# Altium PCB Dashcam_V2.0B.PcbDoc (part 2 of 8) (continued)
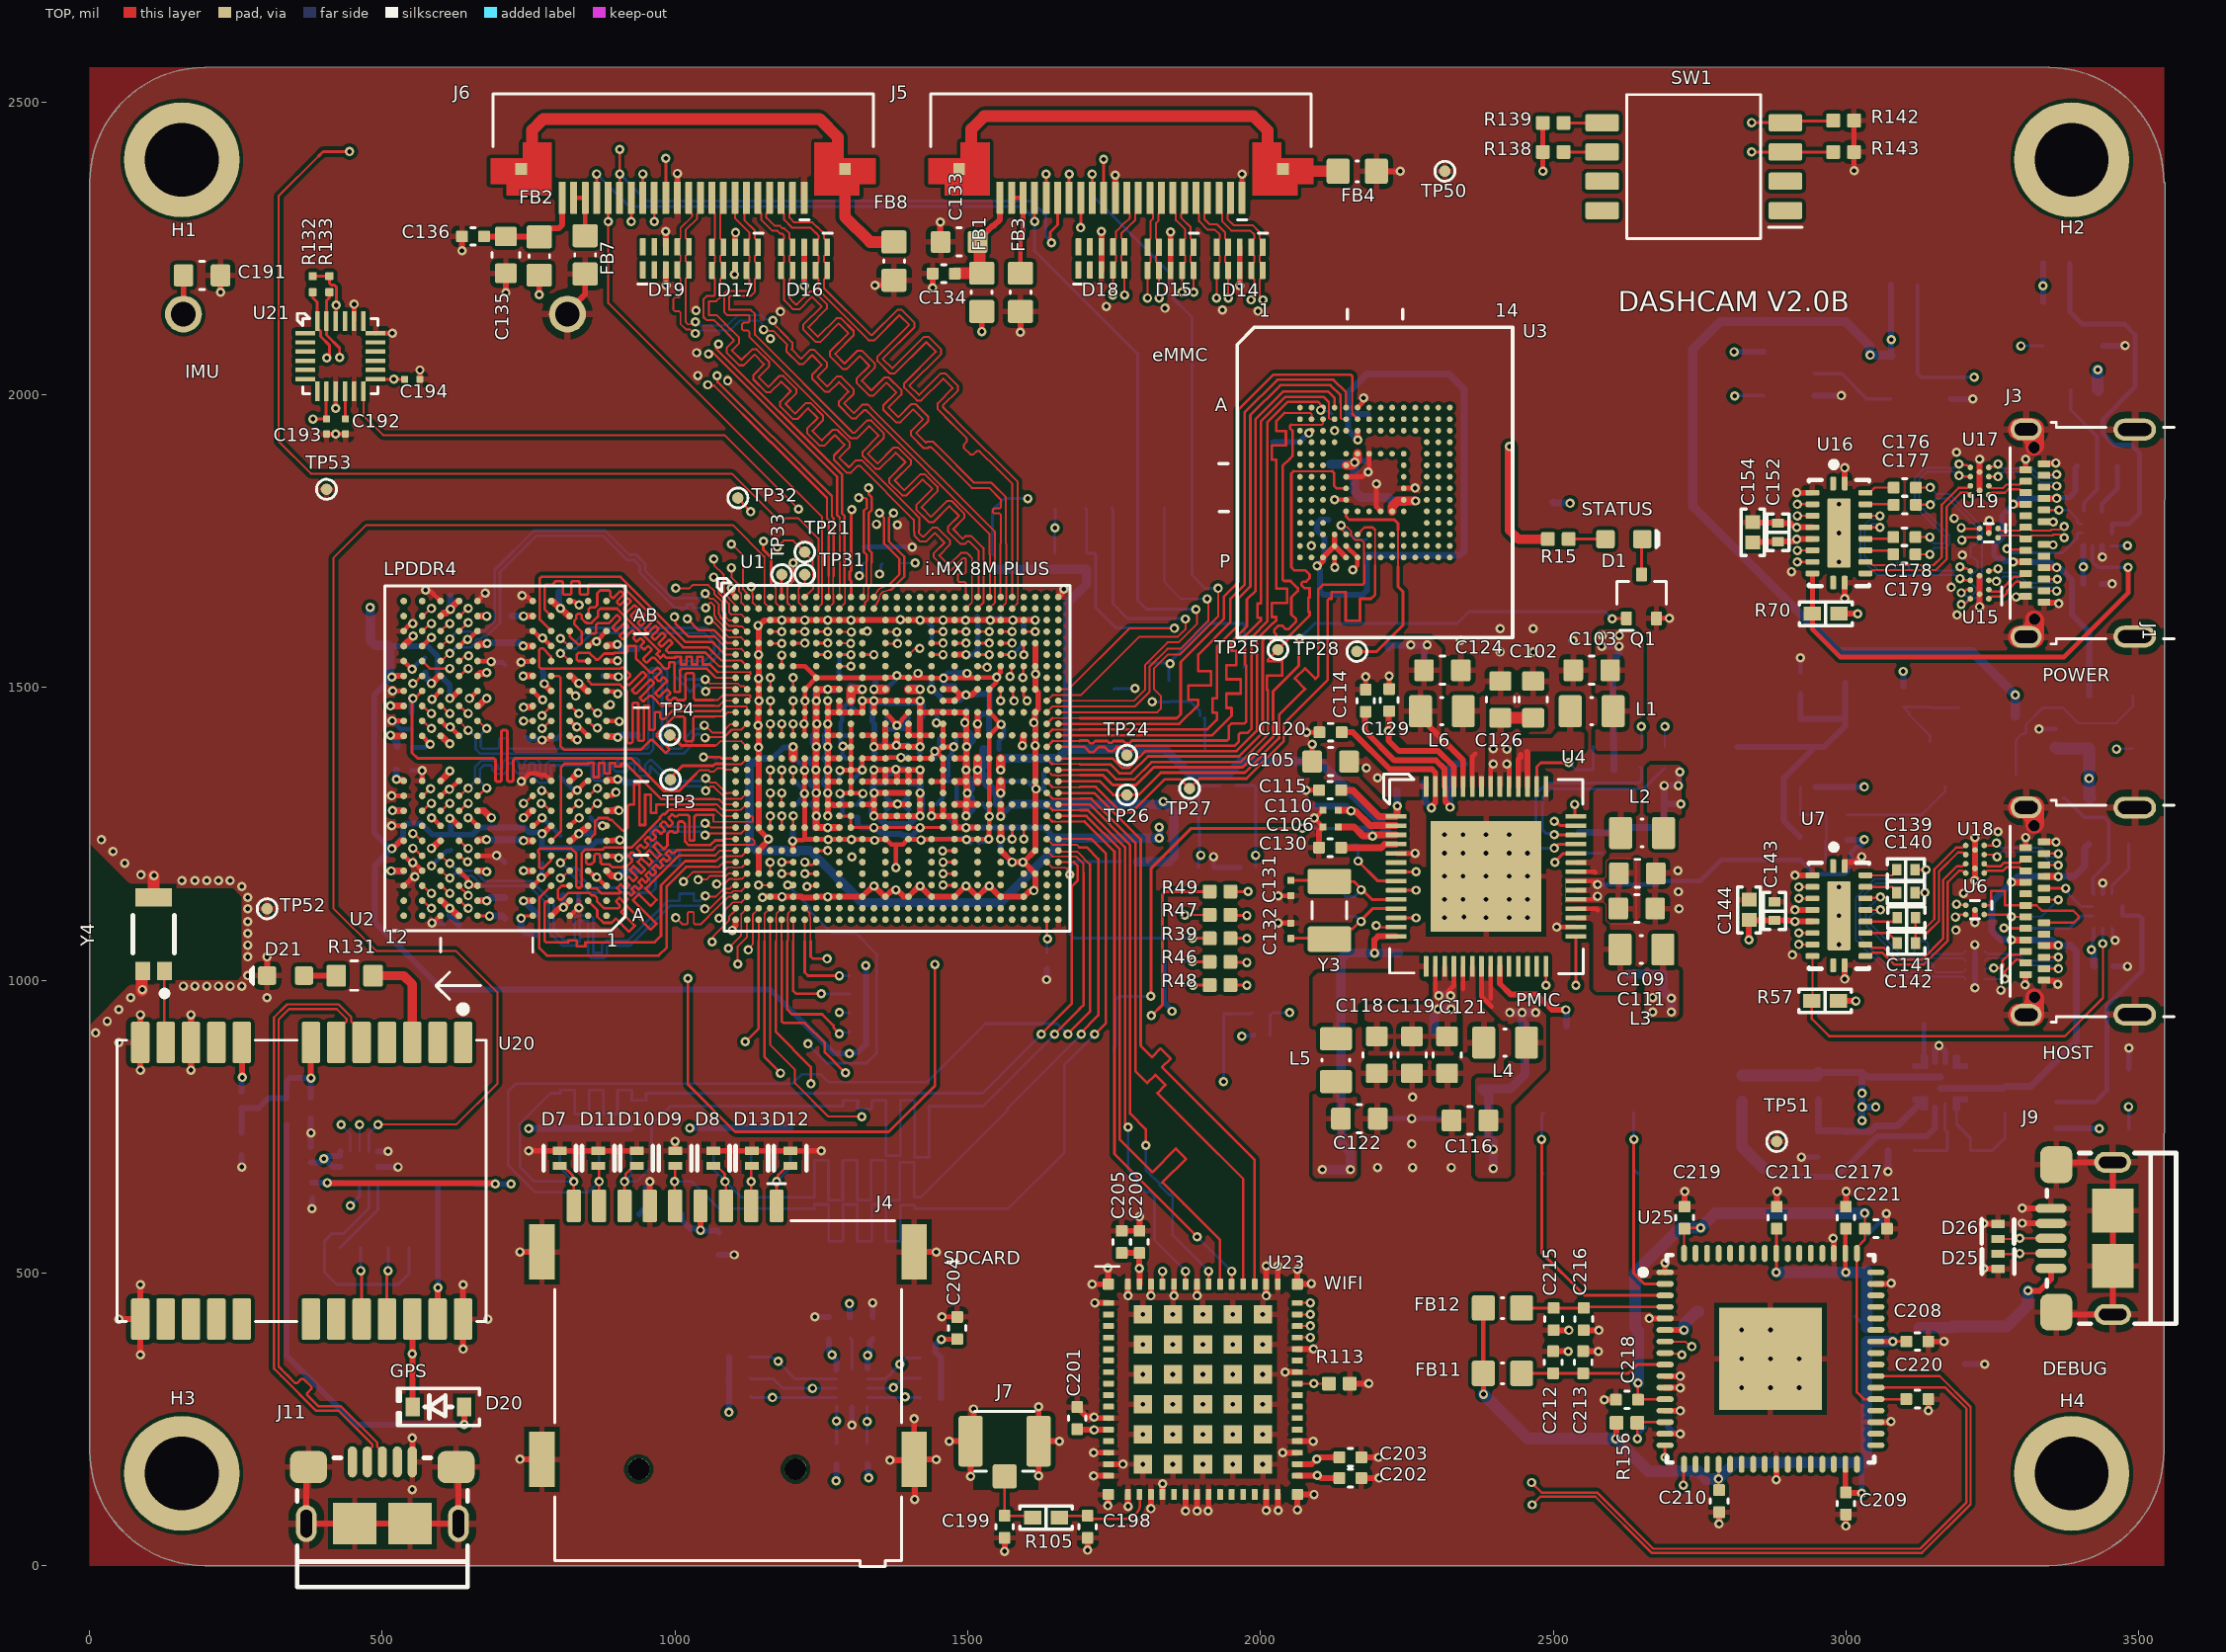
[diagram p0: TOP view]
## Part data (continued)
D7 D8 D9 D10 D11 D12 D13 D25 D26: library part CMP-08607-000062-1, "TVS DIODE 7V 10V 0402", Breakdown Voltage=9.8V, Capacitance=0.1pF, Clamping Voltage=10V, Manufacturer=Littelfuse, Package=SESD0402, Peak Pulse Current=2A, Reverse Standoff Voltage=7V, Temperature="-55°C to +125°C", Temperature Range High=+125°C, Temperature Range Low=-55°C, Automotive=Yes, Automotive Grade="Grade 1", Category=Diode, ComponentLink2Description=Datasheet, ComponentLink2URL=https://www.littelfuse.com/~/media/electronics/datasheets/tvs_diode_arrays/littelfuse_tvs_diode_array_sesd_ultra_low_capacitance_discrete_tvs_datasheet.pdf.pdf, Device Class L1="Circuit Protection", Device Class L2="TVS Diodes", Device Class L3=unset, Digikey Description="TVS DIODE 7V 10V 0402", Direction=Bidirectional, Height=0.43mm, Lead Free=Yes, Manufacturer Part Number=RF2945-000, Number Of Channels=1, Octopart=https://octopart.com/rf2945-000-littelfuse-56516902, RoHS=TRUE, Standoff Height=0mm
D14 D15 D16 D17 D18 D19: library part DIO_TVS_4CH_4V_IP4292CZ10-TBR,115, "IP4292CZ10 Series 4 Channel 4 V 0.55 pF ESD Protected TVS Diode - DFN2510A-10", Manufacturer=Nexperia, Supplier Part Number 1=1727-1219-1-ND, Category="ESD and Circuit Protection ICs", ComponentLink1Description=https://assets.nexperia.com/documents/data-sheet/IP4292CZ10-TBR.pdf?src-supplier=Digikey, ComponentLink1URL=https://assets.nexperia.com/documents/data-sheet/IP4292CZ10-TBR.pdf?src-supplier=Digikey, Manufacturer Part Number=IP4292CZ10-TBR,115, Pricing 1="1=0.51, 10=0.398, 100=0.2386, 500=0.22096, 1000=0.15025, 2000=0.13833 (USD)", RoHS=Yes, RoHS Compliant=Yes, Stock 1=24808, Supplier 1=Digikey
D20: "DIODE SCHOTTKY 10V 100MA USC", Capacitance @ Vr, F="40pF @ 0V, 1MHz", Current - Average Rectified (Io)=100mA, Current - Reverse Leakage @ Vr="20 µA @ 10 V", Manufacturer="Toshiba Semiconductor and Storage", Operating Temperature - Junction="125°C (Max)", Package / Case="SC-76, SOD-323", Supplier Device Package=USC, Supplier Part Number 1=1SS367H3FCT-ND, Voltage - DC Reverse (Vr) (Max)="10 V", Voltage - Forward (Vf) (Max) @ If="500 mV @ 100 mA", ComponentLink1Description=Datasheet, ComponentLink1URL=https://toshiba.semicon-storage.com/info/docget.jsp?did=3342&prodName=1SS367, ComponentLink2Description="DigiKey Link", ComponentLink2URL=https://www.digikey.com/en/products/detail/toshiba-semiconductor-and-storage/1SS367-H3F/4304874, Diode Type=Schottky, lastupdated="6/3/2024 8:20:12 PM", Lifecycle Status=Active, Minimum Order=1, Mounting Type="Surface Mount", Packaging=TapeAndReel, Part Number=1SS367,H3F, Part Status=Active, partid=2994, price=0.02, Series=-, Speed="Small Signal =< 200mA (Io), Any Speed", Supplier 1=DigiKey
D21: library part LED_DIO_BLUE_20mA_0603_ASCKCB00-NS3T4010302, "LED Single Chip Blue 467nm 20mA 2-Pin DFN T/R", Case/Packcage=0603, Manufacturer=Broadcom, Supplier Part Number 1=516-ASCKCB00-NS3T4010302CT-ND, Test Current=20mA, Category=LEDs, Manufacturer Part Number=ASCKCB00-NS3T4010302, Pricing 1="1=0.53, 10=0.327, 100=0.1882, 1000=0.14726, 2000=0.13499 (USD)", RoHS=No, Stock 1=59526, Supplier 1=Digikey
FB1 FB2 FB3 FB4 FB7 FB8 FB9 FB11 FB12: library part IND_FERRITA_1K_450mA_BLM18AG102SN1D, "Ferrite Beads Multi-Layer 1KOhm 25% 100MHz 450mA 500mOhm DCR 0603 T/R", Case Code (Imperial)=0603, Case Code (Metric)=1608, Current Rating=400mA, DC Resistance (DCR)=500mR, DC Resistance-Max=700mR, Frequency=100MHz, Manufacturer=Murata, Max Operating Temperature=125°C, Min Operating Temperature=-55°C, Package Quantity=1, RMS Current (Irms)=450mA, Supplier Part Number 1=490-1015-1-ND, Tolerance=25%, Case/Package=0603, Category="Ferrite Beads and Chips", ComponentLink1Description=https://datasheet.ciiva.com/1012/l0110s0100blm18a-1012016.pdf?src-supplier=Digikey, ComponentLink1URL=https://datasheet.ciiva.com/1012/l0110s0100blm18a-1012016.pdf?src-supplier=Digikey, ComponentLink2Description=https://datasheet.ciiva.com/5709/1756147-5709056.pdf?src-supplier=Farnell, ComponentLink2URL=https://datasheet.ciiva.com/5709/1756147-5709056.pdf?src-supplier=Farnell, ComponentLink3Description=https://datasheet.ciiva.com/11795/0900766b80032ea2-11795437.pdf?src-supplier=Rs, ComponentLink3URL=https://datasheet.ciiva.com/11795/0900766b80032ea2-11795437.pdf?src-supplier=Rs, ComponentLink4Description=https://datasheet.ciiva.com/29347/442253-da-01-en-chip-drossel-0603-1000r-400ma-1-6x0-8mm-29347887.pdf?src-supplier=Conrad, ComponentLink4URL=https://datasheet.ciiva.com/29347/442253-da-01-en-chip-drossel-0603-1000r-400ma-1-6x0-8mm-29347887.pdf?src-supplier=Conrad, ComponentLink5Description=https://datasheet.ciiva.com/41449/001172220-da-01-en-drossel-0603-1000r-1-6x0-8mm-4000st-41449508.pdf?src-supplier=Conrad, ComponentLink5URL=https://datasheet.ciiva.com/41449/001172220-da-01-en-drossel-0603-1000r-1-6x0-8mm-4000st-41449508.pdf?src-supplier=Conrad, ComponentLink6Description=https://datasheet.ciiva.com/1012/l0110s0100blm18a-1012014.pdf?src-supplier=Digikey, ComponentLink6URL=https://datasheet.ciiva.com/1012/l0110s0100blm18a-1012014.pdf?src-supplier=Digikey, ComponentLink7Description=https://datasheet.ciiva.com/1012/l0110s0100blm18a-1012015.pdf?src-supplier=Digikey, ComponentLink7URL=https://datasheet.ciiva.com/1012/l0110s0100blm18a-1012015.pdf?src-supplier=Digikey, ComponentLink8Description=https://datasheet.ciiva.com/16199/l0110s0100blm18a-16199225.pdf?src-supplier=Future+Electronics, ComponentLink8URL=https://datasheet.ciiva.com/16199/l0110s0100blm18a-16199225.pdf?src-supplier=Future+Electronics, ComponentLink9Description=https://datasheet.ciiva.com/8510/l0110s0100blm18a-8510154.pdf?src-supplier=Avnet, ComponentLink9URL=https://datasheet.ciiva.com/8510/l0110s0100blm18a-8510154.pdf?src-supplier=Avnet, ComponentLink10Description=https://datasheet.ciiva.com/1466/1756147-1466919.pdf?src-supplier=Element14, ComponentLink10URL=https://datasheet.ciiva.com/1466/1756147-1466919.pdf?src-supplier=Element14, ComponentLink11Description=https://datasheet.ciiva.com/1466/1756147-1466920.pdf?src-supplier=Element14, ComponentLink11URL=https://datasheet.ciiva.com/1466/1756147-1466920.pdf?src-supplier=Element14, Core Material=Ferrite, DC Current=400mA, Depth=0.8mm, Height=0.8mm, Impedance=1K, Lead Free="Lead Free", Length=1.6mm, Manufacturer Part Number=BLM18AG102SN1D, Material=Steel,Ferrite, Max Current Rating=400mA, Max DC Current=400mA, Military Standard=Not, Number of Circuits=1, Number of Lines=1, Number of Pins=2, Packaging="Tape and Reel", Pricing 1="1=0.1, 10=0.074, 25=0.0676, 50=0.0608, 100=0.0445, 250=0.0324, 500=0.02968, 1000=0.02564 (USD)", Radiation Hardening=No, Reach SVHC Compliant=No, Resistance=500mR, RoHS=Yes, RoHS Compliant=Yes, Series=BLM18A, Series Resistance=500mR, Shielding=Unshielded, Stock 1=632067, Supplier 1=Digikey, Termination=SMD/SMT, Test Frequency=100MHz, Width=0.8mm
H1 H2 H3 H4: library part MECHANICALS_MOUNT_PTH, "Mounting Hole, Plated"
J1 J3: library part CONN_USB_TYPEC_3.2_12401945E212A, "USB3.2 GEN1, Type C, Top mount, CH 1.53mm, Dual Row SMT / Tap/Rl", Manufacturer="Amphenol ICC / FCI", Supplier Part Number 1=664-12401945E212ACT-ND, Category=Connectors, Manufacturer Part Number=12401945E212A, Pricing 1="1=1.63, 10=1.415, 25=1.3544, 50=1.3242, 100=1.2641, 250=1.14372, 500=1.05342 (USD)", RoHS=No, Stock 1=12310, Supplier 1=Digikey
J4: library part CONN_MICROSD_MEM2075-00-140-01-A, "Memory Card Connectors Micro SD Push-Push, SMT, 1.40mm Profile, With Peg, Open Switch, T&R", Manufacturer="Global Connector Technology", Category=Connectors, ComponentLink1Description=https://gct.co/files/drawings/mem2075.pdf?src-supplier=Digikey, ComponentLink1URL=https://gct.co/files/drawings/mem2075.pdf?src-supplier=Digikey, ComponentLink2Description=https://datasheet.octopart.com/MEM2075-00-140-01-A-GCT-datasheet-166929309.pdf?src-supplier=TME, ComponentLink2URL=https://datasheet.octopart.com/MEM2075-00-140-01-A-GCT-datasheet-166929309.pdf?src-supplier=TME, Connector Type=Connector, Contact Plating=Gold, Housing Material=4896ConductorMaterial, Manufacturer Part Number=MEM2075-00-140-01-A, Mount="Surface Mount", Number of Pins=8NUMBER, Packaging="Tape and Reel", Pricing 1="1000=1.6923 (USD)", RoHS=No, Series=MEM2075, Stock 1=1000, Supplier 1=Verical, Supplier Part Number 1=MEM2075-00-140-01-A
J5 J6: library part CONN_FPC_22P_0.5mm_SFV22R-2STBE1HLF, "Conn FFC/FPC Connector SKT 22 POS 0.5mm Solder RA SMD Embossed T/R", Current Rating=500mA, Flammability Rating="UL94 V-0", Insulation Resistance=100MR, Manufacturer="Amphenol ICC / FCI", Max Operating Temperature=105°C, Min Operating Temperature=-55°C, Package Quantity=3000, Supplier Part Number 1=609-SFV22R-2STBE1HLFCT-ND, Voltage Rating=50V, Actuator Material=Glass,Polyphenylene, Category="FFC / FPC", ComponentLink1Description=https://datasheet.ciiva.com/18563/sfv12b-hlf-18563830.pdf?src-supplier=Digikey, ComponentLink1URL=https://datasheet.ciiva.com/18563/sfv12b-hlf-18563830.pdf?src-supplier=Digikey, Contact Location=Top, Contact Material=Bronze, Contact Plating=Gold, Housing Material=Polymer, Manufacturer Part Number=SFV22R-2STBE1HLF, Mount="Surface Mount", Number of Contacts=22, Number of Positions=22, Orientation="Right Angle", Packaging="Tape and Reel", Pitch=0.5mm, Pricing 1="1=0.74, 10=0.627, 25=0.6016, 50=0.5888, 100=0.5633, 250=0.51208, 500=0.46086, 1000=0.40966 (USD)", Radiation Hardening=No, RoHS=Yes, RoHS Compliant=Yes, Series=SFV-R, Stock 1=4153, Supplier 1=Digikey, Termination=Solder, Wire/Cable Type=Straight
J7: library part CONN_UFL_RF_5OR_U.FL-R-SMT-1(10), "RF Connector, 1 Contact(s), Male, Board Mount, Surface Mount Terminal, Receptacle", Dielectric Material=Polymer, Housing Color=Beige, Insulation Resistance=500MR, Manufacturer=Hirose, Max Frequency=6GHz, Max Operating Temperature=90°C, Min Operating Temperature=-40°C, Package Quantity=2500, Supplier Part Number 1=H11891DKR-ND, Body Material=Bronze, Body Plating=Silver, Category="RF / Coaxial Connectors", Center Contact Plating=Gold, ComponentLink1Description=https://datasheet.ciiva.com/11762/0900766b8105243f-11762474.pdf?src-supplier=Rs, ComponentLink1URL=https://datasheet.ciiva.com/11762/0900766b8105243f-11762474.pdf?src-supplier=Rs, ComponentLink2Description=https://datasheet.ciiva.com/7651/91524-7651914.pdf?src-supplier=Element14, ComponentLink2URL=https://datasheet.ciiva.com/7651/91524-7651914.pdf?src-supplier=Element14, ComponentLink3Description=https://datasheet.ciiva.com/7651/91524-7651915.pdf?src-supplier=Element14, ComponentLink3URL=https://datasheet.ciiva.com/7651/91524-7651915.pdf?src-supplier=Element14, Connector Type="Receptacle,Male Pin", Contact Material=Brass, Fastening Type=SNAP-ON, Impedance=50R, Lead Free=5697LeadFree, Manufacturer Part Number=U.FL-R-SMT-1(10), Mating Cycles=30, Mount="Surface Mount", Number of Ports=1, Orientation=Straight, Packaging="Tape and Reel", Pricing 1="1=1.26, 10=1.064, 25=1.0208, 50=0.9988, 100=0.9555, 250=0.8686, 500=0.78174, 1000=0.69488 (USD)", RoHS=Yes, RoHS Compliant=Yes, Series=U.FL, Stock 1=174716, Supplier 1=Digikey, Termination=Solder, Weight=0.001764oz
J9 J11: "CONN RCPT USB2.0 MICRO B SMD R/A", Current Rating (Amps)="1.8A per Contact", Manufacturer="Amphenol ICC (FCI)", Operating Temperature="-30°C ~ 80°C", Supplier Part Number 1=609-4616-2-ND, Voltage - Rated=100VAC, ComponentLink1Description=Datasheet, ComponentLink1URL=https://cdn.amphenol-icc.com/media/wysiwyg/files/documentation/datasheet/inputoutput/io_usb_micro.pdf, ComponentLink2Description="DigiKey Link", ComponentLink2URL=//digikey.com/product-detail/en/amphenol-icc-fci/10118193-0001LF/609-4616-2-ND/2785388, Connector Type="USB - micro B", Features="Solder Retention", Gender=Receptacle, lastupdated="12/9/2019 8:51:28 PM", Lifecycle Status=0, Mating Cycles=10000, Minimum Order=1, Mounting Feature=Horizontal, Mounting Type="Surface Mount, Right Angle; Through Hole", Number of Contacts=5, Number of Ports=1, Packaging=TapeAndReel, Part Number=10118193-0001LF, Part Status=Active, price=0.21, Series=-, Shielding=Shielded, Specifications="USB 2.0", Supplier 1=DigiKey, Termination=Solder
L1 L2 L3 L4 L5 L6: library part IND_0.47uH_4.5A_MCKK2012TR47M, "Inductor Power Chip Multi-Layer 0.47uH 20% 1MHz Metal 3.1A 0.039Ohm DCR 0805 T/R", Case Code (Imperial)=0805, Case Code (Metric)=2012, Current Rating=4.5A, DC Resistance (DCR)=39mR, Inductance=470nH, Manufacturer="Taiyo Yuden", Max Operating Temperature=125°C, Min Operating Temperature=-40°C, Supplier Part Number 1=587-5632-1-ND, Test Frequency=1MHz, Tolerance=20%, Case/Package=0805, Category="Fixed Inductors", ComponentLink1Description="https://ds.yuden.co.jp/TYCOMPAS/ut/detail?pn=MCKK2012TR47M &amp;u=M&src-supplier=Digi-Key", ComponentLink1URL="https://ds.yuden.co.jp/TYCOMPAS/ut/detail?pn=MCKK2012TR47M &amp;u=M&src-supplier=Digi-Key", ComponentLink2Description=http://ds.yuden.co.jp/TYCOMPAS/ut/detail.do?productNo=MCKK2012TR47M&fileName=MCKK2012TR47M_SS&mode=specSheetDownload&src-supplier=Digi-Key, ComponentLink2URL=http://ds.yuden.co.jp/TYCOMPAS/ut/detail.do?productNo=MCKK2012TR47M&fileName=MCKK2012TR47M_SS&mode=specSheetDownload&src-supplier=Digi-Key, ComponentLink3Description=http://ds.yuden.co.jp/TYCOMPAS/ut/detail.do?productNo=MCKK2012TR47M&amp;fileName=MCKK2012TR47M_SS&amp;mode=specSheetDownload&src-supplier=Digi-Key, ComponentLink3URL=http://ds.yuden.co.jp/TYCOMPAS/ut/detail.do?productNo=MCKK2012TR47M&amp;fileName=MCKK2012TR47M_SS&amp;mode=specSheetDownload&src-supplier=Digi-Key, Core Material=Metal, Manufacturer Part Number=MCKK2012TR47M, Mount="Surface Mount", Packaging="Cut Tape", Pricing 1="1=0.34, 10=0.279, 25=0.2572, 50=0.2358, 100=0.2079, 250=0.20152, 500=0.18008, 1000=0.14577 (USD)", RoHS=Yes, RoHS Compliant=Yes, Series="MCOIL™, MC", Shielding=Shielded, Stock 1=59761, Supplier 1=Digi-Key
Q1: library part TRANS_FET_CHA_N_60V_340mA, "N-Channel Enhancement Mode MOSFET 60V 340mA 3-Pin SOT-323 T/R", Case/Package=SOT-323, Continuous Drain Current (ID)=400mA, Drain to Source Voltage (Vdss)=60V, Input Capacitance=28.5pF, Manufacturer=Diodes, Max Operating Temperature=150°C, Max Power Dissipation=440mW, Min Operating Temperature=-55°C, Supplier Part Number 1=DMN61D9UWQ-13DICT-ND, Category=MOSFETs, ComponentLink1Description=https://www.diodes.com/assets/Datasheets/DMN61D9UWQ.pdf?src-supplier=Digi-Key, ComponentLink1URL=https://www.diodes.com/assets/Datasheets/DMN61D9UWQ.pdf?src-supplier=Digi-Key, ComponentLink2Description=https://datasheet.octopart.com/DMN61D9UWQ-13-Diodes-Inc.-datasheet-151210411.pdf?src-supplier=Farnell, ComponentLink2URL=https://datasheet.octopart.com/DMN61D9UWQ-13-Diodes-Inc.-datasheet-151210411.pdf?src-supplier=Farnell, ComponentLink3Description=https://datasheet.octopart.com/DMN61D9UWQ-13-Diodes-Inc.-datasheet-165191130.pdf?src-supplier=Future+Electronics, ComponentLink3URL=https://datasheet.octopart.com/DMN61D9UWQ-13-Diodes-Inc.-datasheet-165191130.pdf?src-supplier=Future+Electronics, Manufacturer Part Number=DMN61D9UWQ-13, Mount="Surface Mount", Packaging="Cut Tape", Pricing 1="1=0.35, 10=0.259, 100=0.1468, 500=0.0972, 1000=0.07452, 2000=0.0648, 5000=0.05832 (USD)", Rds On Max=2R, RoHS=Yes, RoHS Compliant=Yes, Series=-, Stock 1=209235, Supplier 1=Digi-Key
Q2: library part TRANS_FET_CHA_P, "TRAN PMOS 30V 50A DFN3X3EP", AGILE_PN=480-78892, CAD_APPROVED=Yes, CLASS=IC, Height=0.8MM, MFG_NAME01="Alpha and Omega Semiconductor", MFG_PN01=AON7405, PCB Footprint=dfn3p3x3p3_8l_ex, RoHS=Yes
Q3: library part TRANS_FET_CH_N_NX3008NBKW,115, "Trans MOSFET N-CH 30V 0.35A Automotive 3-Pin SC-70 T/R", Manufacturer=Nexperia, Supplier Part Number 1=1727-1280-1-ND, Category=MOSFETs, ComponentLink1Description=https://www.mouser.com/ds/2/302/NX3008NBKW-1151440.pdf?src-supplier=Mouser, ComponentLink1URL=https://www.mouser.com/ds/2/302/NX3008NBKW-1151440.pdf?src-supplier=Mouser, ComponentLink2Description=http://www.farnell.com/datasheets/1508392.pdf?src-supplier=Farnell, ComponentLink2URL=http://www.farnell.com/datasheets/1508392.pdf?src-supplier=Farnell, ComponentLink3Description=https://assets.nexperia.com/documents/data-sheet/NX3008NBKW.pdf?src-supplier=Digikey, ComponentLink3URL=https://assets.nexperia.com/documents/data-sheet/NX3008NBKW.pdf?src-supplier=Digikey, ComponentLink4Description=https://datasheet.octopart.com/NX3008NBKW%2C115-Nexperia-datasheet-87581391.pdf?src-supplier=LKR, ComponentLink4URL=https://datasheet.octopart.com/NX3008NBKW%2C115-Nexperia-datasheet-87581391.pdf?src-supplier=LKR, ComponentLink5Description=https://datasheet.octopart.com/NX3008NBKW%2C115-Nexperia-datasheet-154583516.pdf?src-supplier=TME, ComponentLink5URL=https://datasheet.octopart.com/NX3008NBKW%2C115-Nexperia-datasheet-154583516.pdf?src-supplier=TME, Manufacturer Part Number=NX3008NBKW,115, Pricing 1="1=0.35, 10=0.239, 100=0.1169, 500=0.09748, 1000=0.06774 (USD)", Rise Time=11ns, RoHS=Yes, RoHS Compliant=Yes, Stock 1=784274, Supplier 1=Digikey, Turn-Off Delay Time=69ns, Turn-On Delay Time=15ns
R1 R33 R34 R122 R132 R133: library part RES_10K_1/12W_1%_0201, "SMD Chip Resistor, 10 kOhm, ± 1%, 50 mW, 0201 [0603 Metric], Thick Film, General Purpose", Case Code (Imperial)=0201, Case Code (Metric)=0603, Manufacturer=Yageo, Max Operating Temperature=125°C, Max Power Dissipation=50mW, Min Operating Temperature=-55°C, Package Quantity=10000, Resistance=10K, Resistance Tolerance=1%, Resistor Type="Thick Film", Supplier Part Number 1=311-10.0KMCT-ND, Temperature Coefficient=200ppm/°C, Voltage Rating=25V, Case/Package=0201, Category="Chip SMD Resistors", ComponentLink1Description=https://datasheet.ciiva.com/7660/1421516-7660807.pdf?src-supplier=Element14, ComponentLink1URL=https://datasheet.ciiva.com/7660/1421516-7660807.pdf?src-supplier=Element14, ComponentLink2Description=https://datasheet.ciiva.com/46391/1421516-46391339.pdf?src-supplier=Element14, ComponentLink2URL=https://datasheet.ciiva.com/46391/1421516-46391339.pdf?src-supplier=Element14, ComponentLink3Description=https://datasheet.ciiva.com/2467/pyu-r-int-thick-7-2467110.pdf?src-supplier=Digikey, ComponentLink3URL=https://datasheet.ciiva.com/2467/pyu-r-int-thick-7-2467110.pdf?src-supplier=Digikey, ComponentLink4Description=https://datasheet.ciiva.com/2467/pyu-r-int-thick-7-2467111.pdf?src-supplier=Digikey, ComponentLink4URL=https://datasheet.ciiva.com/2467/pyu-r-int-thick-7-2467111.pdf?src-supplier=Digikey, ComponentLink5Description=https://datasheet.ciiva.com/2467/pyu-r-int-thick-7-2467109.pdf?src-supplier=Digikey, ComponentLink5URL=https://datasheet.ciiva.com/2467/pyu-r-int-thick-7-2467109.pdf?src-supplier=Digikey, ComponentLink6Description=https://datasheet.ciiva.com/26829/getdatasheetpartid-421074-26829851.pdf?src-supplier=Verical, ComponentLink6URL=https://datasheet.ciiva.com/26829/getdatasheetpartid-421074-26829851.pdf?src-supplier=Verical, ComponentLink7Description=https://datasheet.ciiva.com/8891/pyu-rc0201-51-rohs-l-8-8891384.pdf?src-supplier=Avnet, ComponentLink7URL=https://datasheet.ciiva.com/8891/pyu-rc0201-51-rohs-l-8-8891384.pdf?src-supplier=Avnet, Construction=Rectangular, Contact Plating=Tin,Matte, Depth=0.3mm, Features="Moisture Resistant", Height=0.01inch, Lead Free=5697LeadFree, Length=0.6mm, Manufacturer Part Number=RC0201FR-0710KL, Military Standard=Not, Number of Pins=2NUMBER, Number of Terminations=2, Packaging="Tape and Reel", Power Rating=50mW, Pricing 1="1=0.1, 10=0.027, 50=0.0172, 100=0.0143, 500=0.00988, 1000=0.00854, 5000=0.00629 (USD)", Reach SVHC Compliant=No, RoHS=Yes, RoHS Compliant=Yes, Series=RC, Stock 1=12030325, Supplier 1=Digikey, Technology="THICK FILM", Termination=SMD/SMT, Tolerance=1%, Voltage Rating (DC)=25V, Weight=6E-06oz, Width=0.012inch, Working Voltage=25V
R2: library part RES_240R_1%_50mW_0201, "SMD Chip Resistor, 240 Ohm, ± 1%, 50 mW, 0201 [0603 Metric], Thick Film, General Purpose", Case Code (Imperial)=0201, Case Code (Metric)=0603, Manufacturer=Yageo, Max Operating Temperature=125°C, Max Power Dissipation=50mW, Min Operating Temperature=-55°C, Resistance=240R, Supplier Part Number 1=YAG2528DKR-ND, Temperature Coefficient=200ppm/°C, Tolerance=1%, Case/Package=0201, Category="Chip SMD Resistors", ComponentLink1Description=https://datasheet.octopart.com/RC0201FR-07240RL-Yageo-datasheet-164759695.pdf?src-supplier=Future+Electronics, ComponentLink1URL=https://datasheet.octopart.com/RC0201FR-07240RL-Yageo-datasheet-164759695.pdf?src-supplier=Future+Electronics, ComponentLink2Description=http://www.yageo.com/documents/recent/PYu-RC0201_51_RoHS_L_(8).pdf?src-supplier=Future+Electronics, ComponentLink2URL=http://www.yageo.com/documents/recent/PYu-RC0201_51_RoHS_L_(8).pdf?src-supplier=Future+Electronics, ComponentLink3Description=https://datasheet.octopart.com/RC0201FR-07240RL-Yageo-datasheet-148775077.pdf?src-supplier=TME, ComponentLink3URL=https://datasheet.octopart.com/RC0201FR-07240RL-Yageo-datasheet-148775077.pdf?src-supplier=TME, Features="Moisture Resistant", Lead Free="Lead Free", Manufacturer Part Number=RC0201FR-07240RL, Mount="Surface Mount", Number of Terminations=2, Packaging="Cut Tape", Power Rating=50mW, Pricing 1="1=0.1, 10=0.027, 50=0.0172, 100=0.0143, 500=0.00988, 1000=0.00854, 5000=0.00629 (USD)", RoHS=Yes, RoHS Compliant=Yes, Series=RC, Size Code=0201, Stock 1=736295, Supplier 1=Digikey
R3 R5: library part RES_200R_1%_50mW_0201, "SMD Chip Resistor, 200 Ohm, ± 1%, 50 mW, 0201 [0603 Metric], Thick Film, General Purpose", Case Code (Imperial)=0201, Case Code (Metric)=0603, Manufacturer=Yageo, Max Operating Temperature=125°C, Max Power Dissipation=50mW, Min Operating Temperature=-55°C, Package Quantity=10000, Resistance=200R, Supplier Part Number 1=603-RC0201FR-07200RL, Temperature Coefficient=200ppm/°C, Tolerance=1%, Voltage Rating=25V, Case/Package=0201, Category="Chip SMD Resistors", ComponentLink1Description=http://www.mouser.com/ds/2/447/RC0201-559633.pdf?src-supplier=Mouser, ComponentLink1URL=http://www.mouser.com/ds/2/447/RC0201-559633.pdf?src-supplier=Mouser, ComponentLink2Description=https://datasheet.octopart.com/RC0201FR-07200RL-Yageo-datasheet-164759695.pdf?src-supplier=Future+Electronics, ComponentLink2URL=https://datasheet.octopart.com/RC0201FR-07200RL-Yageo-datasheet-164759695.pdf?src-supplier=Future+Electronics, ComponentLink3Description=http://www.yageo.com/documents/recent/PYu-RC0201_51_RoHS_L_(8).pdf?src-supplier=Future+Electronics, ComponentLink3URL=http://www.yageo.com/documents/recent/PYu-RC0201_51_RoHS_L_(8).pdf?src-supplier=Future+Electronics, ComponentLink4Description=http://www.yageo.com/documents/recent/PYu-RC_Group_51_RoHS_L_10.pdf?src-supplier=Digikey, ComponentLink4URL=http://www.yageo.com/documents/recent/PYu-RC_Group_51_RoHS_L_10.pdf?src-supplier=Digikey, ComponentLink5Description=http://www.yageo.com/documents/recent/PYu-RC_Group_51_RoHS_L_9.pdf?src-supplier=Digikey, ComponentLink5URL=http://www.yageo.com/documents/recent/PYu-RC_Group_51_RoHS_L_9.pdf?src-supplier=Digikey, Features="Moisture Resistant", Height=0.23mm, Lead Free="Lead Free", Length=0.6mm, Manufacturer Part Number=RC0201FR-07200RL, Number of Terminations=2, Packaging="Tape and Reel", Power Rating=50mW, Pricing 1="1=0.1, 10=0.015, 50=0.015, 100=0.008, 1000=0.006, 10000=0.006 (USD)", RoHS=Yes, RoHS Compliant=Yes, Series=RC, Size Code=0201, Stock 1=289096, Supplier 1=Mouser, Termination=SMD/SMT, Width=0.3mm
R4 R6: library part RES_8.2K_1%_50mW_0201, "Res Thick Film 0201 8.2K Ohm 1% 1/20W ±200ppm/°C Molded SMD Paper T/R", Case Code (Imperial)=0201, Case Code (Metric)=0603, Manufacturer=Yageo, Max Operating Temperature=125°C, Max Power Dissipation=50mW, Min Operating Temperature=-55°C, Package Quantity=10000, Resistance=8.2K, Resistance Tolerance=1%, Resistor Type="Thick Film", Supplier Part Number 1=YAG2353CT-ND, Temperature Coefficient=200ppm/°C, Voltage Rating=25V, Case/Package=0201, Category="Chip SMD Resistors", ComponentLink1Description=https://datasheet.ciiva.com/14985/pyu-r-int-thick-7-14985436.pdf?src-supplier=Digikey, ComponentLink1URL=https://datasheet.ciiva.com/14985/pyu-r-int-thick-7-14985436.pdf?src-supplier=Digikey, Features="Moisture Resistant", Height=0.01inch, Lead Free="Lead Free", Length=0.024inch, Manufacturer Part Number=RC0201FR-078K2L, Number of Terminations=2, Packaging="Tape and Reel", Power Rating=50mW, Pricing 1="1=0.1, 10=0.027, 50=0.0172, 100=0.0143, 500=0.00988, 1000=0.00854, 5000=0.00629 (USD)", Reach SVHC Compliant=No, RoHS=Yes, RoHS Compliant=Yes, Series=RC, Stock 1=120132, Supplier 1=Digikey, Termination=SMD/SMT, Tolerance=1%, Width=0.3mm
R9 R10 R11 R40 R45: library part RES_100K_1%_50mW_0201, "SMD Chip Resistor, 100 kOhm, ± 1%, 50 mW, 0201 [0603 Metric], Thick Film, General Purpose", Case Code (Imperial)=0201, Case Code (Metric)=0603, Manufacturer=Yageo, Max Operating Temperature=125°C, Max Power Dissipation=50mW, Min Operating Temperature=-55°C, Package Quantity=10000, Resistance=100K, Resistance Tolerance=1%, Resistor Type="Thick Film", Supplier Part Number 1=311-100KMDKR-ND, Temperature Coefficient=200ppm/°C, Voltage Rating=25V, Case/Package=0201, Category="Chip SMD Resistors", ComponentLink1Description=https://datasheet.ciiva.com/2493/pyu-r-int-thick-7-2493769.pdf?src-supplier=Digikey, ComponentLink1URL=https://datasheet.ciiva.com/2493/pyu-r-int-thick-7-2493769.pdf?src-supplier=Digikey, ComponentLink2Description=https://datasheet.ciiva.com/2493/pyu-r-int-thick-7-2493770.pdf?src-supplier=Digikey, ComponentLink2URL=https://datasheet.ciiva.com/2493/pyu-r-int-thick-7-2493770.pdf?src-supplier=Digikey, ComponentLink3Description=https://datasheet.ciiva.com/2493/pyu-r-int-thick-7-2493771.pdf?src-supplier=Digikey, ComponentLink3URL=https://datasheet.ciiva.com/2493/pyu-r-int-thick-7-2493771.pdf?src-supplier=Digikey, ComponentLink4Description=https://datasheet.ciiva.com/26829/getdatasheetpartid-420441-26829850.pdf?src-supplier=Verical, ComponentLink4URL=https://datasheet.ciiva.com/26829/getdatasheetpartid-420441-26829850.pdf?src-supplier=Verical, ComponentLink5Description=https://datasheet.ciiva.com/22698/1563626-22698495.pdf?src-supplier=Element14, ComponentLink5URL=https://datasheet.ciiva.com/22698/1563626-22698495.pdf?src-supplier=Element14, ComponentLink6Description=https://datasheet.ciiva.com/7660/1421516-7660806.pdf?src-supplier=Element14, ComponentLink6URL=https://datasheet.ciiva.com/7660/1421516-7660806.pdf?src-supplier=Element14, ComponentLink7Description=https://datasheet.ciiva.com/46391/1421516-46391338.pdf?src-supplier=Element14, ComponentLink7URL=https://datasheet.ciiva.com/46391/1421516-46391338.pdf?src-supplier=Element14, Construction=Rectangular, Contact Plating=Tin,Matte, Depth=0.3mm, Features="Moisture Resistant", Height=0.01inch, Lead Free=5697LeadFree, Length=0.024inch, Manufacturer Part Number=RC0201FR-07100KL, Military Standard=Not, Number of Pins=2NUMBER, Number of Terminations=2, Packaging="Tape and Reel", Power Rating=50mW, Pricing 1="1=0.1, 10=0.027, 50=0.0172, 100=0.0143, 500=0.00988, 1000=0.00854, 5000=0.00629 (USD)", Reach SVHC Compliant=No, RoHS=Yes, RoHS Compliant=Yes, Series=RC, Size Code=0201, Stock 1=2564699, Supplier 1=Digikey, Termination=SMD/SMT, Tolerance=1%, Voltage Rating (DC)=25V, Width=0.012inch
R12: library part RES_4.7M_5%_50mW_0201, "SMD Chip Resistor, 4.7 MOhm, ± 5%, 50 mW, 0201 [0603 Metric], Thick Film, General Purpose", Case Code (Imperial)=0201, Case Code (Metric)=0603, Manufacturer=Yageo, Max Operating Temperature=125°C, Max Power Dissipation=50mW, Min Operating Temperature=-55°C, Resistance=4.7M, Supplier Part Number 1=YAG2904CT-ND, Temperature Coefficient=200ppm/°C, Tolerance=5%, Case/Package=0201, Category="Chip SMD Resistors", ComponentLink1Description=http://www.yageo.com/documents/recent/PYu-RC_Group_51_RoHS_L_9.pdf?src-supplier=Digikey, ComponentLink1URL=http://www.yageo.com/documents/recent/PYu-RC_Group_51_RoHS_L_9.pdf?src-supplier=Digikey, ComponentLink2Description=https://www.yageo.com/upload/media/product/productsearch/datasheet/rchip/PYu-RC_Group_51_RoHS_L_11.pdf?src-supplier=Digikey, ComponentLink2URL=https://www.yageo.com/upload/media/product/productsearch/datasheet/rchip/PYu-RC_Group_51_RoHS_L_11.pdf?src-supplier=Digikey, ComponentLink3Description=https://datasheet.octopart.com/RC0201JR-074M7L-Yageo-datasheet-164759695.pdf?src-supplier=Future+Electronics, ComponentLink3URL=https://datasheet.octopart.com/RC0201JR-074M7L-Yageo-datasheet-164759695.pdf?src-supplier=Future+Electronics, Features="Moisture Resistant", Manufacturer Part Number=RC0201JR-074M7L, Number of Terminations=2, Packaging="Cut Tape", Pricing 1="1=0.1, 10=0.021, 50=0.0132, 100=0.011, 500=0.00746, 1000=0.00643, 5000=0.00468 (USD)", RoHS=Yes, RoHS Compliant=Yes, Series=RC, Stock 1=74834, Supplier 1=Digikey